# KiCad board PicoGUS.kicad_pcb (continued)
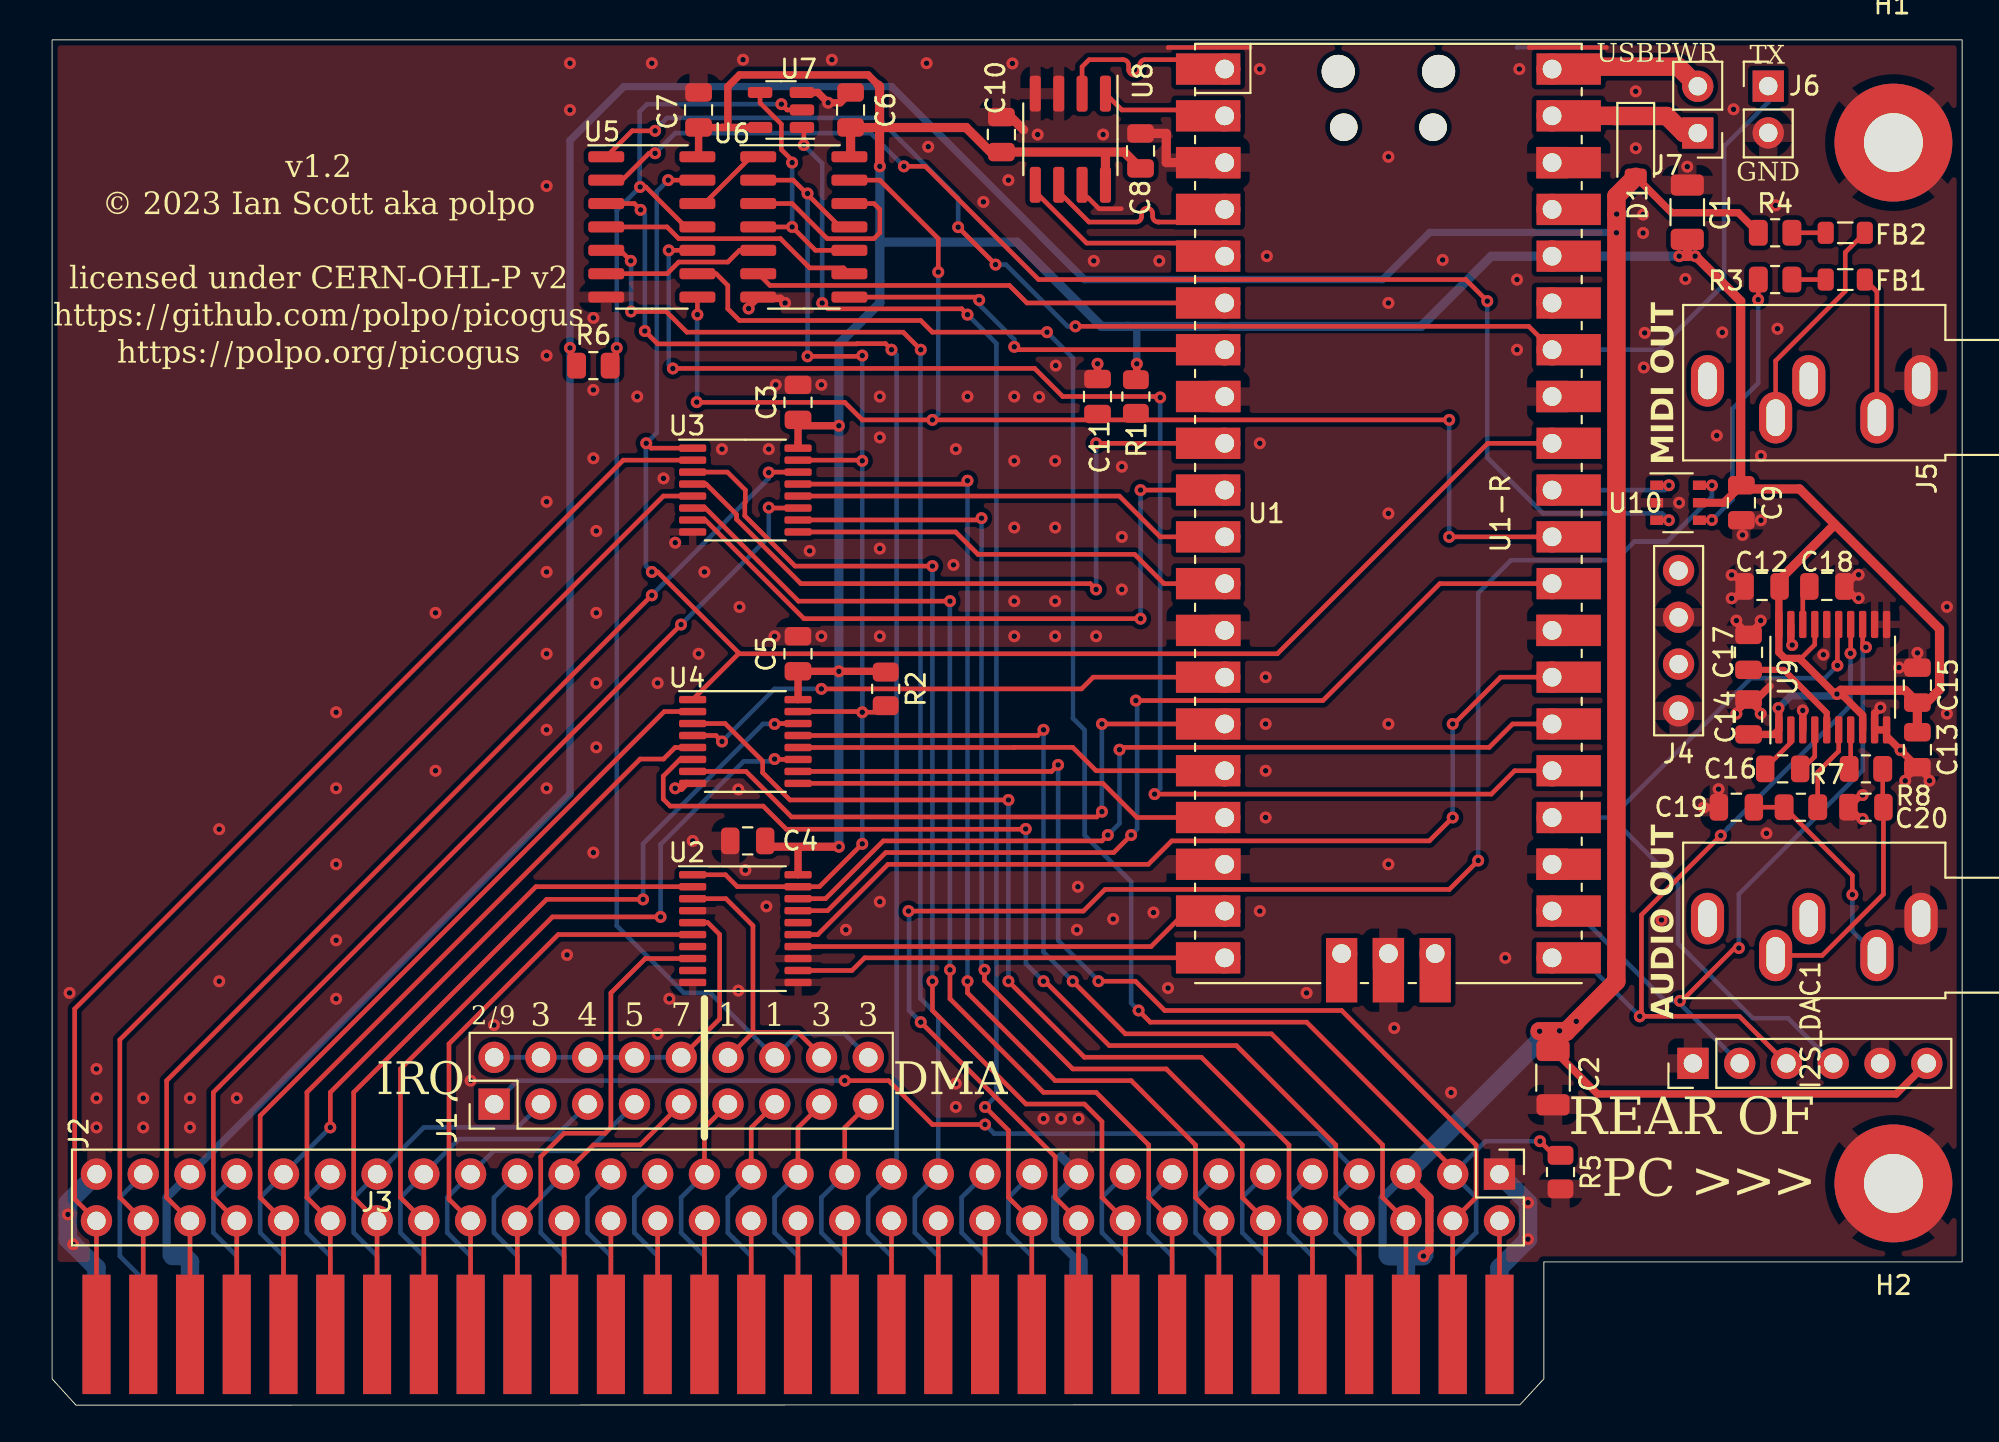
[diagram p0: board, top side]
## Nets
+3V3: C1.1 C3.1 C4.1 C5.1 C6.1 C7.1 C8.1 C9.1 C10.1 C12.2 C13.2 C14.2 C15.1 R1.1 R2.1 U1.36 U2.20 U3.16 U4.16 U5.14 U6.14 U7.5 U8.8 U9.1 U9.8 U9.17 U9.20 U10.5
+5V: C2.1 D1.2 I2S_DAC1.6 J2.3 J2.29 J3.3 J3.29 R4.2 R6.1
GND: C1.2 C2.2 C3.2 C4.2 C5.2 C6.2 C7.2 C8.2 C9.2 C10.2 C11.2 C12.1 C13.1 C14.1 C15.2 C17.2 C18.2 C19.1 C20.1 H1.1 H2.1 I2S_DAC1.1 I2S_DAC1.5 J2.1 J2.10 J2.31 J3.1 J3.10 J3.31 J4.1 J4.3 J5.S J6.2 J8.S R5.2 U1.3 U1.8 U1.13 U1.18 U1.23 U1.28 U1.33 U1.38 U1.42 U2.4 U2.10 U2.11 U2.13 U3.8 U4.8 U5.7 U6.7 U7.3 U8.3 U8.4 U8.7 U9.3 U9.9 U9.10 U9.11 U9.12 U9.16 U9.19 U10.2
/PCM5100 audio/AUDIO_L: C19.2 J8.T R7.2
/PCM5100 audio/AUDIO_R: C20.2 J8.R R8.2
/VSYS: D1.1 J7.1 U1.39
A0: J2.62 J3.62 U3.2
A1: J2.61 J3.61 U3.5
A2: J2.60 J3.60 U3.14
A3: J2.59 J3.59 U3.11
A4: J2.58 J3.58 U4.2
A5: J2.57 J3.57 U4.5
A6: J2.56 J3.56 U4.14
A7: J2.55 J3.55 U4.11
A8: J2.54 J3.54 U2.6
A9: J2.53 J3.53 U2.8
AD0: U1.9 U3.4
AD1: U1.10 U3.7
AD2: U1.11 U3.12
AD3: U1.12 U3.9
AD4: U1.14 U4.4
AD5: U1.15 U4.7
AD6: U1.16 U4.12
AD7: U1.17 U4.9
ADS: U1.32 U3.1 U4.1 U5.13
AEN: J2.42 J3.42 U7.1
BCK: I2S_DAC1.2 U1.22 U9.13
D0: J2.40 J3.40 U3.3
D1: J2.39 J3.39 U3.6
D2: J2.38 J3.38 U3.13
D3: J2.37 J3.37 U3.10
D4: J2.36 J3.36 U4.3
D5: J2.35 J3.35 U4.6
D6: J2.34 J3.34 U4.13
D7: J2.33 J3.33 U4.10
DACK: J1.14 J1.18 R6.2 U5.11 U7.2
DACK1: J1.13 J2.17 J3.17
DACK3: J1.17 J2.15 J3.15
DIN: I2S_DAC1.3 U1.21 U9.14
DRQ: J1.12 J1.16 U2.3
DRQ1: J1.11 J2.18 J3.18
DRQ3: J1.15 J2.16 J3.16
I/OCHRDY: J2.41 J3.41 U10.6
IRQ: J1.2 J1.4 J1.6 J1.8 J1.10 U2.5
IRQ2: J1.1 J2.4 J3.4
IRQ3: J1.3 J2.25 J3.25
IRQ4: J1.5 J2.24 J3.24
IRQ5: J1.7 J2.23 J3.23
IRQ7: J1.9 J2.21 J3.21
LRCK: I2S_DAC1.4 U1.24 U9.15
RA8: U1.19 U2.14
RA9: U1.20 U2.12
RDRQ: U1.29 U2.17
RESET: J2.2 J3.2 R5.1 U5.9
RIRQ: U1.27 U2.15
RTC: U1.26 U2.18
RUN: C11.1 R1.2 U1.30 U5.8 U6.13
SPI_RX: U1.1 U8.2
SPI_SCK: U1.4 U8.6
SPI_TX: U1.5 U8.5
TC: J2.27 J3.27 U2.2
UART_TX: J6.1 U1.34 U5.1
~{BUSOE}: R2.2 U2.1 U2.19 U3.15 U4.15 U6.2 U6.11
~{IOR}: J2.14 J3.14 U5.3
~{IOW}: J2.13 J3.13 U5.5
~{RDACK}: U1.25 U5.10
~{RI/OCHRDY}: U1.31 U10.1
~{RIOR}: U1.7 U6.8
~{RIOW}: U1.6 U6.6
~{SPI_CS}: U1.2 U8.1
Net-(J2-Pin_5): J2.5 J3.5
Net-(J2-Pin_6): J2.6 J3.6
Net-(J2-Pin_7): J2.7 J3.7
Net-(J2-Pin_8): J2.8 J3.8
Net-(J2-Pin_9): J2.9 J3.9
Net-(J2-Pin_11): J2.11 J3.11
Net-(J2-Pin_12): J2.12 J3.12
Net-(J2-Pin_19): J2.19 J3.19
Net-(J2-Pin_20): J2.20 J3.20
Net-(J2-Pin_22): J2.22 J3.22
Net-(J2-Pin_26): J2.26 J3.26
Net-(J2-Pin_28): J2.28 J3.28
Net-(J2-Pin_30): J2.30 J3.30
Net-(J2-Pin_32): J2.32 J3.32
Net-(J2-Pin_43): J2.43 J3.43
Net-(J2-Pin_44): J2.44 J3.44
Net-(J2-Pin_45): J2.45 J3.45
Net-(J2-Pin_46): J2.46 J3.46
Net-(J2-Pin_47): J2.47 J3.47
Net-(J2-Pin_48): J2.48 J3.48
Net-(J2-Pin_49): J2.49 J3.49
Net-(J2-Pin_50): J2.50 J3.50
Net-(J2-Pin_51): J2.51 J3.51
Net-(J2-Pin_52): J2.52 J3.52
Net-(J5-PadR): FB2.2 J5.R
Net-(J5-PadT): FB1.2 J5.T
Net-(J7-Pin_2): J7.2 U1.40
Net-(L1-Pad1): FB1.1 R3.2
Net-(L2-Pad1): FB2.1 R4.1
Net-(R3-Pad1): R3.1 U10.4
Net-(U5-Pad4): U5.4 U6.9
Net-(U5-Pad6): U5.6 U6.5
Net-(U5-Pad12): U5.12 U6.1
Net-(U6-Pad10): U6.4 U6.10 U7.4
Net-(U6-Pad12): U6.3 U6.12
Net-(U9-CAPM): C16.2 U9.4
Net-(U9-CAPP): C16.1 U9.2
Net-(U9-LDOO): C18.1 U9.18
Net-(U9-OUTL): R7.1 U9.6
Net-(U9-OUTR): R8.1 U9.7
Net-(U9-VNEG): C17.1 U9.5
Net-(U10-Pad3): U5.2 U10.3

Pads without a net: J4 2 4; J5 RN TN; J8 RN TN; U1 35 37 41 43; U2 7 9 16

## Via types
v1: diameter 0.65, hole 0.3, Top to Bottom, 296 vias

## Routing (per net, layer and track width the routed paths; a pad name or vN(x,y) marks a point on that pad's centre or on a via; arc(x,y) is an arc through that point)
+3V3: length 215.3
  Top w0.25: U9.17 95.73,41.3 94.99,40.55 94.99,40.46
  Top w0.4: 36.38,69.37 36.7,69.37 36.7,71.6 37.33,72.23 44.32,72.23 44.87,71.69 ; 36.38,69.37 35.12,69.37 ; 36.38,69.37 36.39,69.38 U7.5 ; C14.2 93.54,36.42 U9.1 93.78,37.83 v1(93.76,37.85) 93.79,37.85 ; 58.91,55.73 v1(58.91,56.55) ; 40.58,39.85 45.23,39.85 ; 50.97,68.04 C10.1 ; C7.1 35.11,67.85 ; U9.8 98.33,37.46 97.26,38.53 96.92,38.53 94.9,40.55 94.11,40.55 93.78,40.87 U9.20 93.78,44.42 ; U2.20 40.52,30.07 ; 40.51,52.23 40.51,52.23 40.51,53.33 ; 40.58,53.18 v1(42.73,53.18) ; U4.16 40.52,39.77
  Top w0.44: C9.1 90.8,49 U10.5 ; v1(42.73,30.32) 38.92,30.32
  Top w0.5: 44.87,71.69 44.94,71.61 44.94,67.28 v1(44.95,67.27) ; 50.97,68.04 49.64,69.37 43.75,69.37 ; 91.95,49.75 94.91,49.75 102.51,42.15 102.51,38.85 101.8,38.15 C15.1 ; C15.1 101.31,36.54 ; C15.1 100.64,38.82 97.14,38.82 v1(96.94,38.61) ; C8.1 58.23,68.04 C10.1 ; C1.1 88.81,62.4 88.79,62.39 v1(88.37,62.39) v1(89.24,62.39) 89.27,62.39 91.71,59.95 91.71,50.41 ; U8.8 57.21,67.98 ; C6.1 43.37,67.85 ; 93.82,44.82 96.8,47.8
  Bottom w0.4: v1(96.94,38.61) 96.84,38.51 94.42,38.51 v1(93.76,37.85) ; v1(58.91,56.55) 58.91,58.58 58.4,58.58
  Bottom w0.44: 61.07,58.58 65.59,58.58 ; 44.95,63.15 44.95,61.06
  Bottom w0.5: 64.04,58.58 74.36,58.58 78.17,62.39 U1.36 v1(88.37,62.39) v1(89.24,62.39) ; 44.95,63.15 52.41,63.15 56.98,58.58 63.33,58.58 ; v1(42.73,30.32) v1(42.73,39.85) 42.73,57.63 44.95,59.85 v1(44.95,67.27)
+5V: length 253.9
  Top w0.25: 28.13,56.8 v1(28.13,57.41)
  Top w0.4: D1.2 87.96,64.75 91.58,64.75 R4.2 ; I2S_DAC1.6 100.16,16.9 83.93,16.9 81.57,19.26
  Top w0.44: v1(74.48,8.1) 74.8,8.42 74.8,9.48 74.8,9.48 74.8,10.53 74.8,10.54 74.8,11.27 73.54,12.54
  Top w1: 84.96,23.97 84.96,64.66 v1(84.97,64.67) 84.96,64.69 84.96,65.65 D1.2 ; 81.55,20.3 81.55,20.3 v1(80.79,20.3) ; 84.95,23.97 84.95,23.01 v1(82.78,20.84) ; 82.74,20.78 82.23,20.28 ; 82.23,20.28 82.2,20.3 81.33,20.3 ; 82.23,20.28 82.17,20.33
  Bottom w0.4: v1(84.97,64.67) 84.96,64.66 v1(84.96,63.66) 84.94,63.68 74.82,63.68 72.26,61.12 56.07,61.12 45.59,71.6 31.06,71.6 28.13,68.67 v1(28.13,57.41) 28.13,33.18 J2.29
  Bottom w0.44: 72.26,8.09 72.26,11.27 73.53,12.54 74.8,11.27 74.8,8.09 ; J2.29 6.22,11.28 6.22,8.1
  Bottom w1: 7.49,3.65 7.49,7.78 7.17,8.1 6.54,8.1 ; v1(82.78,20.84) 82.24,20.3 v1(80.79,20.3) ; 80.79,20.21 v1(80.79,20.3) ; v1(80.79,20.3) 80.79,19.81 J2.3 ; 72.58,8.09 74.48,8.09 ; 73.53,8.09 73.53,3.65
  vias: v1(81.87,20.33)
GND: length 89.7
  Top w0.23: 80.41,73.72 80.42,73.72 ; 80.22,73.72 80.22,73.72 84.42,73.72 84.42,73.72 ; 60.61,73.71 60.62,73.72 65.06,73.72 65.07,73.71
  Top w0.25: 55.94,65.56 56.26,65.56 56.86,64.96 58.07,64.96
  Top w0.4: v1(91.22,45.08) 91.36,45.08 92,44.44 91.36,43.81 v1(91.22,43.81) ; v1(89.71,32.45) 90.51,32.45 ; v1(39.81,59.85) 39.56,60.1 38.29,60.1 ; v1(100.65,33.91) 100.65,34.02 101.31,34.68 101.97,34.02 v1(101.97,33.91) ; v1(98.12,43.82) 97.97,43.82 C18.2 97.97,45.09 v1(98.12,45.09) ; 60.51,69.05 60.51,69.06 ; v1(91.48,42.6) 91.48,42.49 C17.2 92.8,42.49 v1(92.8,42.6) ; C6.2 42.81,70.72 v1(42.15,70.72) 41.59,71.28 U7.3 ; 101.31,34.65 v1(100.39,35.57) 99.63,36.32 ; 34.42,33.76 34.16,33.5 v1(33.84,33.5) ; v1(101.31,40.85) 101.31,39.96 ; U9.3 v1(95.08,37.72) ; U9.19 94.43,41.35 v1(94.51,41.27) ; v1(92.8,37.55) 92.8,37.66 C14.1 91.48,37.66 v1(91.48,37.55) ; v1(90.51,33.45) 90.53,33.43 C19.1 ; v1(99.3,37.88) 98.98,37.56 U9.9 U9.10 ; U6.7 37.83,59.64 v1(37.83,59.55) ; 56.78,56.65 C11.2 ; v1(98.33,33.13) 98.22,33.13 C20.1 98.2,31.83 v1(98.33,31.83) ; 101.22,40.05 v1(100.31,40.05) ; 92.58,38.32 93.31,39.05
  Top w0.5: 52.07,69.94 52.77,69.25 ; 60.51,69.06 60.51,67.47 U1.3 ; 59.12,69.05 60.51,69.05
  Bottom w0.23: 65.07,73.71 65.06,73.72 60.62,73.72 60.61,73.71 ; 84.01,73.72 84,73.72 79.56,73.72 79.55,73.72
  Bottom w0.44: 55.75,7.78 54.48,9.05 54.48,11.27 55.75,12.54
  Bottom w0.5: J2.10 54.8,13.49
  Bottom w1: J2.31 0.86,11 v1(0.86,10.36) 0.86,9.01 v1(1.14,8.73) 2.41,7.46 2.41,3.65 ; J2.1 v1(80.16,11) v1(80.16,9.01) 78.61,7.46 78.61,3.65 ; 55.75,7.78 55.75,3.65
  vias: v1(0.95,22.38) v1(2.41,18.26) v1(2.41,16.67) v1(2.41,15.08) v1(4.95,16.67) v1(4.95,15.08) v1(7.49,16.67) v1(7.49,15.08) v1(9.08,31.27) v1(9.08,23.02) v1(10.03,16.67) v1(15.43,37.62) v1(15.43,33.5) v1(15.43,29.37) v1(15.43,25.24) v1(15.43,22.07) v1(20.83,43.02) v1(20.83,34.45) v1(22.73,17.62) v1(24,20.64) v1(26.86,66.2) v1(26.86,56.99) v1(26.86,49.05) v1(26.86,45.24) v1(26.86,40.8) v1(26.86,36.67) v1(26.86,33.5) v1(27.97,24.45) v1(28.13,72.87) v1(28.13,70.33) v1(29.4,59.04) v1(29.4,55.12) v1(29.4,51.42) v1(29.4,30) v1(29.56,47.47) v1(29.56,43.02) v1(29.56,39.21) v1(29.56,35.72) v1(31.78,54.77) v1(32.57,72.87) v1(32.89,39.21) v1(32.89,20.16) v1(33.21,50.32) v1(33.52,22.07) v1(33.84,46.83) v1(34.8,30.64) v1(35.11,40.8) v1(35.43,45.24) v1(36.38,51.91) v1(37.33,43.34) v1(37.27,33.43) v1(37.27,22.51) v1(37.53,73.06) v1(37.65,29.05) v1(38.8,27.08) v1(38.92,51.91) v1(39.24,41.75) v1(39.3,55.4) v1(41.14,46.39) v1(41.78,55.4) v1(41.78,41.75) v1(42.35,73.06) v1(43.11,25.81) v1(44.95,54.77) v1(44.95,52.55) v1(44.95,46.51) v1(44.95,41.75) v1(44.95,27.34) v1(47.49,72.87) v1(47.58,68.33) v1(48.96,45.62) v1(49.08,51.91) v1(49.08,17.46) v1(49.08,16.19) v1(49.72,54.77) v1(50.58,65.34) v1(51.94,66.52) v1(52.16,72.85) v1(52.26,54.77) v1(52.26,51.28) v1(52.26,47.66) v1(52.26,43.66) v1(52.26,41.75) v1(53.53,68.99) v1(53.61,54.75) v1(53.85,15.56) v1(54.51,56.45) v1(54.48,51.28) v1(54.48,47.66) v1(54.48,43.66) v1(54.48,41.75) v1(54.8,15.56) v1(55.71,28.15) v1(55.66,25.81) v1(55.75,15.56) v1(56.58,62.13) v1(56.7,41.75) v1(56.78,56.55) v1(57.08,68.99) v1(57.63,26.4) v1(58.1,50.96) v1(58.1,47.15) v1(58.1,44.29) v1(59.82,26.75) v1(60.13,62.13) v1(60.61,22.65) v1(65.59,72.55) v1(65.59,52.23) v1(65.59,26.83) v1(65.91,39.53) v1(65.91,36.99) v1(65.91,34.45) v1(65.91,31.91) v1(65.97,62.39) v1(68.13,22.38) v1(72.58,67.79) v1(72.58,59.85) v1(72.58,48.42) v1(72.58,36.99) v1(72.58,29.37) v1(72.89,20.48) v1(75.52,62.19) v1(75.98,16.97) v1(78.93,24.29) v1(79.56,61.12) v1(79.56,57.31) v1(79.69,72.55) v1(86.01,71.34) v1(86.01,68.25) v1(86.41,64.65) v1(86.41,63.65) v1(86.45,56.34) v1(86.5,58.22) v1(87.41,26.35) v1(88.37,49) v1(88.71,61.15) v1(88.81,67.25) v1(90.41,52.65) v1(90.71,58.25) v1(91.32,70.36) v1(91.81,47.25) v1(92.81,51.55) v1(92.81,48.05) v1(93.11,31.05) v1(93.61,65.15) v1(93.71,58.45) v1(96.2,40.75) v1(102.91,43.35) v1(102.91,37.55)
/PCM5100 audio/AUDIO_L: length 11.8
  Top w0.25: C19.2 R7.2 97.78,28.76 v1(97.78,27.72)
  Bottom w0.25: v1(97.78,27.72) 97.78,25.75 J8.T
/PCM5100 audio/AUDIO_R: length 14
  Top w0.25: J8.R 96.14,24.42 99.46,27.74 C20.2 ; R8.2 99.42,32.51
/VSYS: length 8.3
  Top w1: J7.1 88.62,69.07 87.7,70 84.88,70 84.87,70.01 U1.39
A0: length 64.3
  Top w0.25: 2.41,3.65 J2.62 1.23,11.19 1.23,21.52 31.02,51.31 U3.2
A1: length 60.1
  Top w0.25: U3.5 33.2,49.36 3.68,19.84 3.68,11.28 J2.61 4.95,3.65
A2: length 62.7
  Top w0.25: v1(32.57,43.97) 6.22,17.62 6.22,11.28 J2.60 7.49,3.65 ; v1(38.92,50.64) 38.95,50.66 U3.14
  Bottom w0.25: v1(38.92,50.64) 38.92,50.32 v1(32.57,43.97)
A3: length 59.7
  Top w0.25: 10.03,3.65 J2.59 8.76,11.28 8.76,16.99 v1(34.16,42.39) ; U3.11 38.95,48.71 v1(38.92,48.74)
  Bottom w0.25: v1(38.92,48.74) 38.92,47.15 v1(34.16,42.39)
A4: length 45.2
  Top w0.25: U4.2 33.24,37.66 11.3,15.72 11.3,11.28 J2.58 12.57,3.65
A5: length 42.6
  Top w0.25: 15.11,3.65 J2.57 13.84,11.28 13.84,16.99 31.94,35.08 33.21,35.08 33.83,35.71 U4.5
A6: length 48.1
  Top w0.25: v1(32.1,27.46) 26.86,27.46 16.38,16.99 16.38,11.28 J2.56 17.65,3.65 ; U4.14 39.26,37.01 v1(39.24,36.99)
  Bottom w0.25: v1(32.1,27.46) 32.1,30.48 38.61,36.99 v1(39.24,36.99)
A7: length 46
  Top w0.25: v1(33.05,26.51) 27.17,26.51 18.92,18.26 18.92,11.28 J2.55 20.19,3.65 ; v1(39.24,35.08) 39.26,35.06 U4.11
  Bottom w0.25: v1(39.24,35.08) 39.11,34.96 37.56,34.96 33.05,30.45 v1(33.05,26.51)
A8: length 32.1
  Top w0.25: 22.73,3.65 J2.54 21.56,11.18 21.56,19.62 27.48,25.55 U2.6
A9: length 27.4
  Top w0.25: U2.8 32.22,24.25 30.35,22.38 30.35,15.08 30.03,14.76 27.81,14.76 26.54,13.49 26.54,11.28 J2.53 25.27,3.65
AD0: length 39.4
  Top w0.25: v1(56.7,44.29) 56.39,44.61 40.67,44.61 37.17,48.1 37.17,48.36 35.52,50.01 U3.4 ; v1(56.7,52.23) U1.9
  Bottom w0.25: v1(56.7,44.29) v1(56.7,52.23)
AD1: length 38.1
  Top w0.25: v1(59.12,42.7) 40.84,42.7 35.48,48.06 U3.7 ; v1(59.12,49.69) U1.10
  Bottom w0.25: v1(59.12,49.69) v1(59.12,42.7)
AD2: length 24.1
  Top w0.25: U1.11 60.18,47.15 57.96,49.36 U3.12
AD3: length 24.3
  Top w0.25: U1.12 60.39,44.61 58.8,46.2 50.29,46.2 49.07,47.41 U3.9
AD4: length 30.5
  Top w0.25: U4.4 36.06,36.36 v1(36.38,36.04) ; v1(41.78,38.89) 55.91,38.89 56.54,39.53 U1.14
  Bottom w0.25: v1(41.78,38.89) 39.24,38.89 v1(36.38,36.04)
AD5: length 34.8
  Top w0.25: v1(57.02,32.23) 56.73,31.94 40.16,31.94 37.69,34.41 U4.7 ; v1(57.02,36.99) U1.15
  Bottom w0.25: v1(57.02,32.23) v1(57.02,36.99)
AD6: length 23.7
  Top w0.25: U1.16 56.7,34.45 55.43,35.72 52.24,35.72 52.23,35.71 U4.12
AD7: length 23.9
  Top w0.25: U1.17 58.92,31.91 57.07,33.76 U4.9
ADS: length 85.1
  Top w0.25: 37.28,40.8 66.55,40.8 77.98,52.23 U1.32 ; 37.28,40.8 37.28,40.86 32.89,45.24 v1(32.57,45.24) ; 37.28,40.8 U4.1 ; U3.1 32.53,51.96 v1(32.27,52.23) ; U5.13 v1(33.46,66.52)
  Bottom w0.25: v1(32.57,45.24) 32.26,45.56 32.26,52.21 v1(32.27,52.23) 32.84,52.8 32.84,65.9 v1(33.46,66.52)
AEN: length 75.5
  Top w0.25: v1(40.83,68.42) 40.83,69.28 ; v1(49.72,59.21) 49.4,59.53 42.14,59.53 v1(41.83,59.84) ; v1(50.67,16.19) 51.94,14.92 51.94,11.28 J2.42 ; 53.21,3.65 53.21,10
  Bottom w0.25: v1(41.83,59.84) 41.83,67.42 v1(40.83,68.42) ; v1(49.72,59.21) 51.29,57.64 51.29,16.81 v1(50.67,16.19)
BCK: length 38.7
  Top w0.25: 98.49,41.21 98.54,41.15 v1(98.51,41.15) 98.51,41.18 98.33,41.36 U9.13 ; v1(88.41,21.95) 88.51,21.95 91.38,24.82 v1(91.61,24.82)
  Bottom w0.25: I2S_DAC1.2 88.41,21.81 v1(88.41,21.95) 87.61,21.95 82.74,26.83 U1.22 ; v1(98.51,41.15) 98.34,40.99 98.34,34.48 91.61,27.75 v1(91.61,24.82)
D0: length 64.1
  Top w0.25: v1(47.81,45.56) 40.35,45.56 37.62,48.29 37.62,49.01 37.65,49.03 37.65,49.69 36.68,50.66 U3.3 ; v1(47.81,23.02) 47.81,21.43 52.89,16.35 56.07,16.35 57.02,15.4 57.02,11.28 J2.40 58.29,3.65
  Bottom w0.25: v1(47.81,45.56) v1(47.81,23.02)
D1: length 62.7
  Top w0.25: U3.6 35.48,48.71 40.54,43.66 v1(48.77,43.66) ; v1(48.77,23.64) 48.77,22.07 53.85,16.99 56.7,16.99 59.56,14.13 59.56,11.28 J2.39 60.83,3.65
  Bottom w0.25: v1(48.77,43.66) v1(48.77,23.64)
D2: length 63.7
  Top w0.25: 63.36,10.01 62.1,11.27 62.1,14.13 58.61,17.62 54.48,17.62 49.72,22.38 v1(49.72,23.02) ; 63.37,3.65 J2.38 ; U3.13 49.53,50.01 v1(49.72,50.2)
  Bottom w0.25: v1(49.72,23.02) 49.72,50.01
D3: length 64
  Top w0.25: 50.63,48.06 U3.10 ; v1(50.64,23.64) 50.64,23.05 55.43,18.26 60.51,18.26 64.64,14.13 64.64,11.28 J2.37 65.91,3.65
  Bottom w0.25: v1(50.64,23.64) 50.48,23.8 v1(50.48,48.16)
D4: length 59
  Top w0.25: v1(51.94,23.02) 56.07,18.89 62.42,18.89 67.18,14.13 67.18,11.27 67.18,11.27 J2.36 68.45,3.65 ; v1(51.94,32.86) 40.08,32.86 38.59,34.35 38.59,34.97 36.55,37.01 U4.3
  Bottom w0.25: v1(51.94,32.86) v1(51.94,23.02)
D5: length 62.8
  Top w0.25: v1(52.88,31.29) 52.86,31.27 39.87,31.27 38.62,32.53 33.57,32.53 33.19,32.91 33.19,34.15 34.1,35.06 U4.6 ; 70.99,3.65 J2.35 69.72,11.28 69.72,14.13 64.32,19.53 57.42,19.53 53.92,23.02 v1(53.85,23.02)
  Bottom w0.25: v1(53.85,23.02) 52.89,23.97 52.89,31.27 v1(52.88,31.29)
D6: length 59.3
  Top w0.25: U4.13 53.54,36.36 v1(53.85,36.67) ; v1(55.43,23.02) 58.29,20.16 66.23,20.16 72.26,14.13 72.26,11.28 J2.34 73.53,3.65
  Bottom w0.25: v1(53.85,36.67) 53.85,24.61 v1(55.43,23.02)
D7: length 62.1
  Top w0.25: 76.07,3.65 J2.33 77.34,11.28 77.34,14.13 70.04,21.43 60.43,21.43 58.84,23.02 v1(56.83,23.02) ; U4.10 54.28,34.41 v1(54.64,34.77)
  Bottom w0.25: v1(56.83,23.02) 56.83,23.05 54.64,25.24 v1(54.64,34.77)
DACK: length 75
  Top w0.25: v1(31.94,66.15) 32.24,66.15 34.41,63.98 ; v1(39.61,70.64) 39.93,70.33 40.38,70.33 ; 30.67,56.8 30.67,57.26
  Bottom w0.25: 44.32,18.89 43.05,20.17 40.52,20.17 39.24,18.89 ; J1.14 35.75,22.39 34.31,22.39 30.67,26.04 v1(30.67,57.41) 30.67,64.88 v1(31.94,66.15) 31.91,66.17 31.91,70.24 32.32,70.64 v1(39.61,70.64)
DACK1: length 14.3
  Top w0.25: J1.13 37.97,15.07 J2.17
  Bottom w0.25: J2.17 36.7,11.28 36.7,9.37 37.97,8.1 37.97,3.65
DACK3: length 14.3
  Top w0.25: J1.17 43.05,15.07 J2.15
  Bottom w0.25: J2.15 41.78,11.28 41.78,9.37 43.05,8.1 43.05,3.65
DIN: length 41.2
  Top w0.25: I2S_DAC1.3 91.64,21.11 v1(86.23,21.11) 86.32,21.2 86.32,26.62 v1(90.63,30.93) ; U9.14 97.68,40.87 97.67,40.87 v1(97.67,40.82) 97.72,40.82 97.7,40.85
  Bottom w0.25: v1(90.63,30.93) 91.02,31.32 91.02,31.35 97.67,38 v1(97.67,40.82) ; U1.21 83.05,24.29 v1(86.23,21.11)
DRQ: length 15.8
  Top w0.25: 38.07,20.24 40.51,20.24 41.78,18.97 ; 38.07,20.24 38.07,26.03 36.6,27.5 U2.3 ; 38.07,20.24 J1.12
DRQ1: length 14.3
  Top w0.25: J1.11 35.43,15.07 J2.18
  Bottom w0.25: 35.43,3.65 35.43,8.1 34.16,9.37 34.16,11.28 J2.18
DRQ3: length 14.3
  Top w0.25: J2.16 40.51,15.07 J1.15
  Bottom w0.25: J2.16 39.24,11.28 39.24,9.37 40.51,8.1 40.51,3.65
I/OCHRDY: length 89.8
  Top w0.25: v1(47.18,20.8) 54.48,13.49 54.48,11.28 J2.41 55.75,3.65 ; v1(46.51,26.83) 56.01,26.83 57.19,28 75.89,28 v1(77.45,29.57) ; v1(90.15,49.94) 90.14,49.95 U10.6
  Bottom w0.25: v1(90.15,49.94) 90.15,49.33 87.72,46.89 85.94,46.89 84.92,45.88 79.23,45.88 77.45,44.1 v1(77.45,29.57) ; v1(47.18,20.8) 46.54,21.43 46.54,26.8 v1(46.51,26.83)
IRQ: length 21.3
  Top w0.25: U2.5 35.61,26.2 36.26,25.56 36.26,20.97 J1.10
  Bottom w0.25: 30.67,18.89 32.57,18.89 ; J1.2 J1.4 J1.8 J1.10
IRQ2: length 59.6
  Top w0.25: v1(43.05,17.62) 45.43,17.62 47.81,15.24 v1(50.67,15.24)
  Bottom w0.25: 70.99,3.65 70.99,8.1 69.72,9.37 69.72,11.28 J2.4 68.79,14.75 51.16,14.75 v1(50.67,15.24) ; J1.1 24.95,17.29 24.95,17.3 25.27,17.62 v1(43.05,17.62)
IRQ3: length 20.4
  Bottom w0.25: 17.65,3.65 17.65,8.1 16.38,9.37 16.38,11.28 J2.25 20.18,15.08 25.29,15.08 J1.3
IRQ4: length 20.4
  Bottom w0.25: J1.5 27.19,14.45 22.09,14.45 J2.24 18.92,11.28 18.92,9.37 20.19,8.1 20.19,3.65
IRQ5: length 20.4
  Bottom w0.25: J1.7 29.1,13.81 23.99,13.81 J2.23 21.46,11.28 21.46,9.37 22.73,8.1 22.73,3.65
IRQ7: length 17.9
  Top w0.25: 34.15,16.35 31.94,14.13 29.4,14.13 27.82,12.55
  Bottom w0.25: J2.21 26.54,11.28 26.54,9.37 27.81,8.1 27.81,3.65
LRCK: length 40.5
  Top w0.25: 96.96,42.32 v1(96.96,40.16)
  Bottom w0.25: 84.69,31.91 92.26,39.48 96.28,39.48 v1(96.96,40.16) ; 84.69,31.91 U1.24 ; 84.69,31.91 88.31,28.29 88.31,25.07 92.36,21.01 94.28,21.01 I2S_DAC1.4
RA8: length 22.4
  Top w0.25: 39.98,24.9 59.68,24.9 61.61,26.83
RA9: length 23.5
  Top w0.25: U1.20 44.13,24.29 43.44,23.6 U2.12
RDRQ: length 52.5
  Top w0.25: v1(58.61,30.96) 57.65,30 45.27,30 42.12,26.85 U2.17 ; v1(58.86,38.26) 69.02,38.26 75.37,44.61 U1.29
  Bottom w0.25: v1(58.61,30.96) 58.92,31.27 58.92,38.2 v1(58.86,38.26)
RESET: length 97.1
  Top w0.25: 76.07,12.86 68.14,20.8 59.64,20.8 v1(59.01,21.43) ; 81.57,13.57 v1(80.81,14.33) ; v1(54.04,58.26) 47.81,58.26 47.18,58.9 37.33,58.9 36.7,59.53 36.7,60.8 36.07,61.44 U5.9
  Bottom w0.25: v1(54.04,58.26) 55.45,56.85 55.45,37.29 56.08,36.66 56.08,30.94 58.61,28.42 58.61,21.83 v1(59.01,21.43) ; 76.07,3.65 76.07,8.1 77.34,9.37 77.34,11.28 J2.2 77.86,14.33 v1(80.81,14.33)
RIRQ: length 49.7
  Top w0.25: U2.15 41.58,25.55 45.4,29.37 59.54,29.37 60.81,30.64 74.8,30.64 v1(76.07,31.91) ; v1(76.07,36.99) 76.13,36.99 78.67,39.53 U1.27
  Bottom w0.25: v1(76.07,36.99) v1(76.07,31.91)
RTC: length 47.2
  Top w0.25: U1.26 79.32,36.99 78.05,35.72 58.1,35.72 v1(57.97,35.59) ; U2.18 42.01,27.5 45.15,30.64 57.02,30.64 v1(57.34,30.96)
  Bottom w0.25: v1(57.34,30.96) 57.97,31.59 v1(57.97,35.59)
RUN: length 75
  Top w0.25: U5.8 v1(35.05,59.21) ; v1(35.01,54.46) 35.02,54.45 43.05,54.45 44,53.5 v1(47.81,53.5) v1(75.88,53.5) ; U6.13 44.95,66.52 48.13,63.34 v1(48.13,61.53) ; U1.30 v1(75.88,47.15)
  Bottom w0.25: v1(75.88,53.5) v1(75.88,47.15) ; v1(47.81,53.5) 48.13,53.82 v1(48.13,61.53) ; v1(35.05,59.21) 35.04,59.2 35.04,54.49 v1(35.01,54.46)
SPI_RX: length 10
  Top w0.25: 55.94,71.21 55.94,72.68 56.32,73.06 58.17,73.06 arc(58.38,72.97) 58.47,72.76 58.47,72.53 arc(58.56,72.32) 58.77,72.23 arc(58.98,72.32) 59.07,72.53 59.07,72.76 arc(59.16,72.97) 59.37,73.06 63.18,73.06
SPI_SCK: length 10
  Top w0.25: 63,64.24 60.07,64.24 arc(59.86,64.33) 59.77,64.54 59.77,64.69 arc(59.69,64.91) 59.47,64.99 arc(59.26,64.91) 59.17,64.69 59.17,64.54 arc(59.09,64.33) 58.87,64.24 56.31,64.24 54.67,65.89
SPI_TX: length 10.7
  Top w0.25: 62.98,63.1 56.19,63.1 53.4,65.89
TC: length 39.7
  Top w0.25: v1(15.11,15.08) 15.11,16.99 26.27,28.15 U2.2
  Bottom w0.25: 12.57,3.65 12.57,8.1 11.3,9.37 11.3,11.28 J2.27 15.11,15.08 v1(15.11,15.08)
UART_TX: length 81.1
  Top w0.25: v1(49.21,63.96) v1(51.24,61.93) ; v1(32.75,69.2) 31.51,69.2 U5.1 ; v1(55.58,58.58) 80.2,58.58 U1.34
  Bottom w0.25: J6.1 93.21,70.75 90.81,68.35 90.81,60.86 87.26,57.31 U1.34 ; 32.75,69.25 v1(32.75,69.2) 32.7,69.2 32.75,69.25 ; 32.75,69.25 33.4,69.9 44.85,69.9 46.07,68.68 46.08,68.68 49.21,65.54 v1(49.21,63.96) ; v1(55.58,58.58) 55.15,58.58 51.8,61.93 v1(51.24,61.93)
~{BUSOE}: length 63.3
  Top w0.25: v1(41.03,56.95) 43.96,56.95 v1(44,56.99) ; U6.2 40.26,66.52 40.98,65.79 v1(41.03,65.79) 41.03,65.74 42.8,63.98 ; v1(44,30.48) 41.67,28.15 U2.19 37.22,28.15 36.57,28.8 U2.1 ; v1(44,51.28) 43.96,51.31 U3.15 ; 44.92,37.62 v1(44,37.62) 43.96,37.66 U4.15
  Bottom w0.25: 44,38.74 v1(44,30.48) ; v1(41.03,65.79) v1(41.03,56.95) ; v1(44,37.62) v1(44,51.28) v1(44,56.99)
~{IOR}: length 77
  Top w0.25: U5.3 31.62,65.25 v1(31.96,64.9) ; v1(45.59,57.31) 45.26,57.64 43.73,57.64 43.72,57.63 32.89,57.63 v1(32.19,58.32)
  Bottom w0.25: 45.59,3.65 45.59,8.1 44.32,9.37 44.32,11.28 J2.14 ; v1(32.19,58.32) 32.19,64.67 v1(31.96,64.9) ; 45.86,12.85 45.86,57.03 v1(45.59,57.31)
~{IOW}: length 75.3
  Top w0.25: v1(31.44,59.38) 33.35,59.38 34.48,58.26 46.23,58.26 v1(47.18,57.31) ; v1(31.43,62.13) 30.86,62.71
  Bottom w0.25: v1(31.43,62.13) 31.44,62.12 v1(31.44,59.38) ; v1(47.18,57.31) 47.16,57.29 47.16,22.08 48.13,21.11 J2.13 46.86,11.28 46.86,9.37 48.13,8.1 48.13,3.65
~{RDACK}: length 79
  Top w0.25: U5.10 v1(33.49,62.71) ; U1.25 79.44,34.45 78.17,33.18 v1(59.88,33.18) ; v1(60.18,54.72) 60.13,54.77 54.89,54.77 53.37,56.29 v1(33.72,56.29)
  Bottom w0.25: v1(60.18,54.72) 60.18,33.48 v1(59.88,33.18) ; v1(33.49,62.71) 33.49,56.52 v1(33.72,56.29)
~{RI/OCHRDY}: length 7.2
  Top w0.25: U10.1 v1(87.81,49.95)
  Bottom w0.25: U1.31 87.59,49.69 87.85,49.95 v1(87.81,49.95)
~{RIOR}: length 21.9
  Top w0.25: v1(52.26,57.47) 52.42,57.31 U1.7 ; U6.8 50.19,60.17 v1(50.35,60.01)
  Bottom w0.25: v1(50.35,60.01) 50.35,59.77 52.26,57.86 v1(52.26,57.47)
~{RIOW}: length 26
  Top w0.25: U6.6 38.99,60.8 51.99,60.8 52.95,59.85 U1.6
~{SPI_CS}: length 4.7
  Top w0.25: 61.39,70.01 61.07,70.33 58.1,70.33 57.21,71.21
Net-(J2-Pin_5): length 9.9
  Bottom w0.25: J2.5 67.18,11.28 67.18,9.37 68.45,8.1 68.45,3.65
Net-(J2-Pin_6): length 9.9
  Bottom w0.25: J2.6 64.64,11.28 64.64,9.37 65.91,8.1 65.91,3.65
Net-(J2-Pin_7): length 9.9
  Bottom w0.25: J2.7 62.1,11.28 62.1,9.37 63.37,8.1 63.37,3.65
Net-(J2-Pin_8): length 9.9
  Bottom w0.25: J2.8 59.56,11.28 59.56,9.37 60.83,8.1 60.83,3.65
Net-(J2-Pin_9): length 9.9
  Bottom w0.25: 58.29,3.65 58.29,8.1 57.02,9.37 57.02,11.28 J2.9
Net-(J2-Pin_11): length 9.9
  Bottom w0.25: J2.11 51.94,11.28 51.94,9.37 53.21,8.1 53.21,3.65
Net-(J2-Pin_12): length 9.9
  Bottom w0.25: 50.67,3.65 50.67,8.1 49.4,9.37 49.4,11.28 J2.12
Net-(J2-Pin_19): length 9.9
  Bottom w0.25: 32.89,3.65 32.89,8.1 31.62,9.37 31.62,11.28 J2.19
Net-(J2-Pin_20): length 9.9
  Bottom w0.25: J2.20 29.08,11.28 29.08,9.37 30.35,8.1 30.35,3.65
Net-(J2-Pin_22): length 9.9
  Bottom w0.25: J2.22 24,11.28 24,9.37 25.27,8.1 25.27,3.65
Net-(J2-Pin_26): length 9.9
  Bottom w0.25: 15.11,3.65 15.11,8.1 13.84,9.37 13.84,11.28 J2.26
Net-(J2-Pin_28): length 9.9
  Bottom w0.25: 10.03,3.65 10.03,8.1 8.76,9.37 8.76,11.28 J2.28
Net-(J2-Pin_30): length 6.8
  Bottom w0.25: 4.95,6.83 3.68,8.1 3.68,11.28 J2.30
Net-(J2-Pin_32): length 6.4
  Top w0.25: 78.61,3.65 J2.32
Net-(J2-Pin_43): length 6.4
  Top w0.25: 50.67,3.65 J2.43
Net-(J2-Pin_44): length 6.4
  Top w0.25: 48.13,3.65 J2.44
Net-(J2-Pin_45): length 6.4
  Top w0.25: 45.59,3.65 J2.45
Net-(J2-Pin_46): length 6.4
  Top w0.25: 43.05,3.65 J2.46
Net-(J2-Pin_47): length 6.4
  Top w0.25: 40.51,3.65 J2.47
Net-(J2-Pin_48): length 6.4
  Top w0.25: 37.97,3.65 J2.48
Net-(J2-Pin_49): length 6.4
  Top w0.25: 35.43,3.65 J2.49
Net-(J2-Pin_50): length 6.4
  Top w0.25: 32.89,3.65 J2.50
Net-(J2-Pin_51): length 6.4
  Top w0.25: 30.35,3.65 J2.51
Net-(J2-Pin_52): length 6.4
  Top w0.25: 27.81,3.65 J2.52
Net-(J5-PadR): length 12
  Top w0.25: FB2.2 97.39,62.6 97.39,60.49 93.61,56.71 J5.R
Net-(J5-PadT): length 7.8
  Top w0.25: FB1.2 99.11,60.46 J5.T
Net-(J7-Pin_2): length 7.9
  Top w0.25: 88.35,72.64 88.35,72.65
  Top w1: 89.38,71.61 88.31,72.68 81.94,72.68
Net-(L1-Pad1): length 1.8
  Top w0.25: R3.2 FB1.1
Net-(L2-Pad1): length 1.8
  Top w0.25: R4.1 FB2.1
Net-(R3-Pad1): length 15.1
  Top w0.25: v1(92.66,60.03) 92.67,60.04 R3.1 ; U10.4 90.01,48.05 89.99,48.06 v1(90.15,48.06) 90.15,47.91 90.04,48.01
  Bottom w0.25: v1(92.66,60.03) 92.66,55.5 91.26,54.1 91.26,49.18 v1(90.15,48.06)
Net-(U5-Pad4): length 14.3
  Top w0.25: U6.9 42.98,61.75 41.15,61.75 41.01,61.89 41.01,61.89 39.56,63.34 34.04,63.34 33.4,63.98 U5.4
Net-(U5-Pad6): length 8.8
  Top w0.25: U5.6 33.4,61.44 34.04,62.07 36.7,62.07 37.33,62.71 U6.5
Net-(U5-Pad12): length 3.6
  Top w0.25: 35.42,65.25 37.96,67.79
Net-(U6-Pad10): length 13.5
  Top w0.25: 38.45,71.28 38.45,70.71 39.61,69.56 39.61,68.18 40.19,67.59 v1(40.19,67.47) ; U6.4 v1(40.19,63.98) 41.46,62.71 U6.10
  Bottom w0.25: v1(40.19,67.47) v1(40.19,63.98)
Net-(U6-Pad12): length 10.6
  Top w0.25: U6.12 44.64,65.25 44.95,64.93 44.95,63.66 44.64,63.34 42.1,63.34 40.19,65.25 U6.3
Net-(U9-CAPM): length 2.6
  Top w0.25: 94.94,34.42 95.73,35.22 U9.4
Net-(U9-CAPP): length 2.7
  Top w0.25: 93.04,34.58 94.43,35.98 U9.2
Net-(U9-LDOO): length 1.7
  Top w0.25: U9.18 95.08,44.11
Net-(U9-OUTL): length 4.7
  Top w0.25: R7.1 95.89,34.37 97.03,35.51 U9.6
Net-(U9-OUTR): length 2
  Top w0.25: U9.7 97.68,34.63
Net-(U9-VNEG): length 6.1
  Top w0.333: U9.5 96.38,37.59 94.05,39.92 C17.1
Net-(U10-Pad3): length 73.3
  Top w0.25: 32.7,68.03 32.75,68.08 v1(32.75,67.98) 32.42,67.98 30.96,66.52 U5.2 ; v1(46.26,67.27) 47.43,67.27 53.58,61.12 76.78,61.12 v1(77.95,59.95) ; U10.3 v1(87.81,48.05)
  Bottom w0.25: v1(46.26,67.27) 44.46,69.07 33.84,69.07 v1(32.75,67.98) ; v1(77.95,59.95) 77.95,51.45 80.98,48.42 87.44,48.42 v1(87.81,48.05)

## Copper pours and planes (outline as drawn; the poured copper is in the pictures)
GND on Top, Bottom: 103.74,7.78 -0.13,7.78 -0.13,74.14 103.74,74.14

## Text on the board
B.Silkscreen: JLCJLCJLCJLC | Leaded Solder / Nicole Express / PickledDog / rasz_pl / root42 / Studio8502 / SuperIlu / TechAmbrosia / Todd Gill / tom7 / Tube Time / vswitchzero / yyzkevin / Zago / everyone on Mastodon and Vogons / everyone who contributed hardware or $$$ / and the Retro Pico Hardware Discord / for various combinations of / inspiration, ideas, code, / and/or help | thanks to: / 48kRAM / Aaron Giles / Adrian Black / Chrissy / Claude Schwarz / deck/scoopex / djh0ffman / FireTwoOneNine / foone / FreddyV / furan / Graham Sanderson / HeathenUK / indigoparadox / Jim Leonard / Jonathan Campbell / Konrad Beckmann | designed in / Colorado | REAR OF / <<< PC
F.Silkscreen: USBPWR | TX | GND | 2/9 | v1.2 / © 2023 Ian Scott aka polpo / licensed under CERN-OHL-P v2 / https://github.com/polpo/picogus / https://polpo.org/picogus | MIDI OUT | AUDIO OUT | 3 | 4 | 5 | 7 | 1 | DMA | IRQ | REAR OF / PC >>>
